# KiCad board TKL.kicad_pcb (continued)
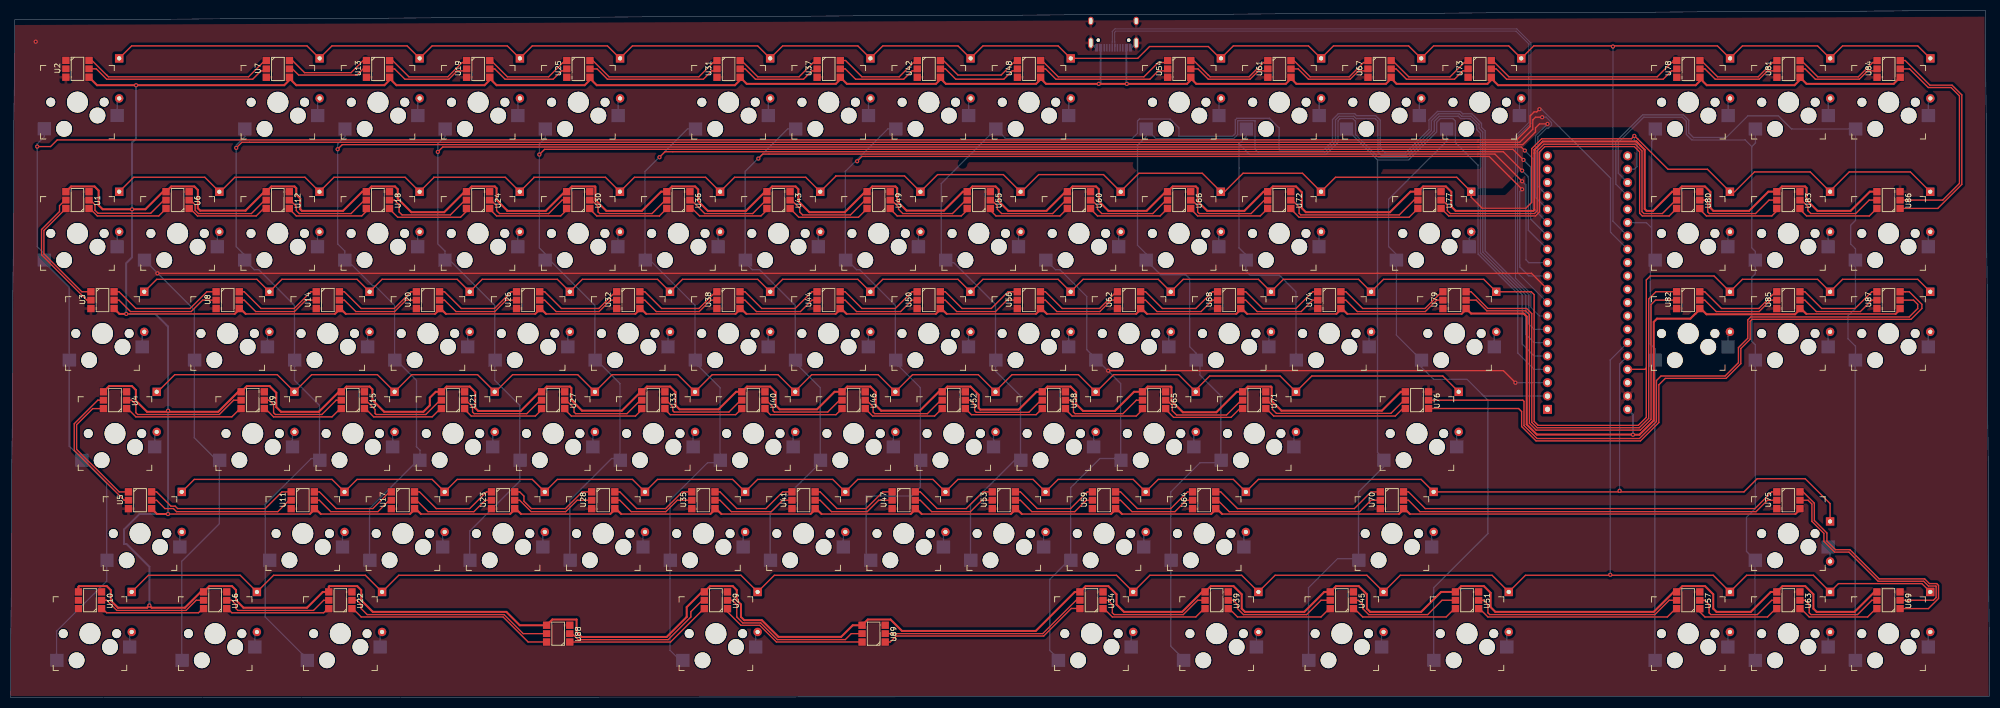
[diagram p0: board, top side]
## Nets (continued)
Net-(U12-DIN): U12.1 U18.6
Net-(U12-DOUT): U6.1 U12.6
Net-(U13-CIN): U7.5 U13.2
Net-(U13-COUT): U13.5 U19.2
Net-(U13-DIN): U7.6 U13.1
Net-(U13-DOUT): U13.6 U19.1
Net-(U14-CIN): U8.5 U14.2
Net-(U14-COUT): U14.5 U20.2
Net-(U14-DIN): U8.6 U14.1
Net-(U14-DOUT): U14.6 U20.1
Net-(U15-CIN): U15.2 U21.5
Net-(U15-COUT): U9.2 U15.5
Net-(U15-DIN): U15.1 U21.6
Net-(U15-DOUT): U9.1 U15.6
Net-(U16-CIN): U16.2 U22.5
Net-(U16-DIN): U16.1 U22.6
Net-(U17-COUT): U17.5 U23.2
Net-(U17-DOUT): U17.6 U23.1
Net-(U18-CIN): U18.2 U24.5
Net-(U18-DIN): U18.1 U24.6
Net-(U19-COUT): U19.5 U25.2
Net-(U19-DOUT): U19.6 U25.1
Net-(U20-COUT): U20.5 U26.2
Net-(U20-DOUT): U20.6 U26.1
Net-(U21-CIN): U21.2 U27.5
Net-(U21-DIN): U21.1 U27.6
Net-(U22-CIN): U22.2 U88.5
Net-(U22-DIN): U22.1 U88.6
Net-(U23-COUT): U23.5 U28.2
Net-(U23-DOUT): U23.6 U28.1
Net-(U24-CIN): U24.2 U30.5
Net-(U24-DIN): U24.1 U30.6
Net-(U25-COUT): U25.5 U31.2
Net-(U25-DOUT): U25.6 U31.1
Net-(U26-COUT): U26.5 U32.2
Net-(U26-DOUT): U26.6 U32.1
Net-(U27-CIN): U27.2 U33.5
Net-(U27-DIN): U27.1 U33.6
Net-(U28-COUT): U28.5 U35.2
Net-(U28-DOUT): U28.6 U35.1
Net-(U29-CIN): U29.2 U89.5
Net-(U29-COUT): U29.5 U88.2
Net-(U29-DIN): U29.1 U89.6
Net-(U29-DOUT): U29.6 U88.1
Net-(U30-CIN): U30.2 U36.5
Net-(U30-DIN): U30.1 U36.6
Net-(U31-COUT): U31.5 U37.2
Net-(U31-DOUT): U31.6 U37.1
Net-(U32-COUT): U32.5 U38.2
Net-(U32-DOUT): U32.6 U38.1
Net-(U33-CIN): U33.2 U40.5
Net-(U33-DIN): U33.1 U40.6
Net-(U34-CIN): U34.2 U39.5
Net-(U34-COUT): U34.5 U89.2
Net-(U34-DIN): U34.1 U39.6
Net-(U34-DOUT): U34.6 U89.1
Net-(U35-COUT): U35.5 U41.2
Net-(U35-DOUT): U35.6 U41.1
Net-(U36-CIN): U36.2 U43.5
Net-(U36-DIN): U36.1 U43.6
Net-(U37-COUT): U37.5 U42.2
Net-(U37-DOUT): U37.6 U42.1
Net-(U38-COUT): U38.5 U44.2
Net-(U38-DOUT): U38.6 U44.1
Net-(U39-CIN): U39.2 U45.5
Net-(U39-DIN): U39.1 U45.6
Net-(U40-CIN): U40.2 U46.5
Net-(U40-DIN): U40.1 U46.6
Net-(U41-COUT): U41.5 U47.2
Net-(U41-DOUT): U41.6 U47.1
Net-(U42-COUT): U42.5 U48.2
Net-(U42-DOUT): U42.6 U48.1
Net-(U43-CIN): U43.2 U49.5
Net-(U43-DIN): U43.1 U49.6
Net-(U44-COUT): U44.5 U50.2
Net-(U44-DOUT): U44.6 U50.1
Net-(U45-CIN): U45.2 U51.5
Net-(U45-DIN): U45.1 U51.6
Net-(U46-CIN): U46.2 U52.5
Net-(U46-DIN): U46.1 U52.6
Net-(U47-COUT): U47.5 U53.2
Net-(U47-DOUT): U47.6 U53.1
Net-(U48-COUT): U48.5 U54.2
Net-(U48-DOUT): U48.6 U54.1
Net-(U49-CIN): U49.2 U55.5
Net-(U49-DIN): U49.1 U55.6
Net-(U50-COUT): U50.5 U56.2
Net-(U50-DOUT): U50.6 U56.1
Net-(U51-CIN): U51.2 U57.5
Net-(U51-DIN): U51.1 U57.6
Net-(U52-CIN): U52.2 U58.5
Net-(U52-DIN): U52.1 U58.6
Net-(U53-COUT): U53.5 U59.2
Net-(U53-DOUT): U53.6 U59.1
Net-(U54-COUT): U54.5 U61.2
Net-(U54-DOUT): U54.6 U61.1
Net-(U55-CIN): U55.2 U60.5
Net-(U55-DIN): U55.1 U60.6
Net-(U56-COUT): U56.5 U62.2
Net-(U56-DOUT): U56.6 U62.1
Net-(U57-CIN): U57.2 U63.5
Net-(U57-DIN): U57.1 U63.6
Net-(U58-CIN): U58.2 U65.5
Net-(U58-DIN): U58.1 U65.6
Net-(U59-COUT): U59.5 U64.2
Net-(U59-DOUT): U59.6 U64.1
Net-(U60-CIN): U60.2 U66.5
Net-(U60-DIN): U60.1 U66.6
Net-(U61-COUT): U61.5 U67.2
Net-(U61-DOUT): U61.6 U67.1
Net-(U62-COUT): U62.5 U68.2
Net-(U62-DOUT): U62.6 U68.1
Net-(U63-CIN): U63.2 U69.5
Net-(U63-DIN): U63.1 U69.6
Net-(U64-COUT): U64.5 U70.2
Net-(U64-DOUT): U64.6 U70.1
Net-(U65-CIN): U65.2 U71.5
Net-(U65-DIN): U65.1 U71.6
Net-(U66-CIN): U66.2 U72.5
Net-(U66-DIN): U66.1 U72.6
Net-(U67-COUT): U67.5 U73.2
Net-(U67-DOUT): U67.6 U73.1
Net-(U68-COUT): U68.5 U74.2
Net-(U68-DOUT): U68.6 U74.1
Net-(U69-CIN): U69.2 U75.5
Net-(U69-DIN): U69.1 U75.6
Net-(U70-COUT): U70.5 U75.2
Net-(U70-DOUT): U70.6 U75.1
Net-(U71-CIN): U71.2 U76.5
Net-(U71-DIN): U71.1 U76.6
Net-(U72-CIN): U72.2 U77.5
Net-(U72-DIN): U72.1 U77.6
Net-(U73-COUT): U73.5 U78.2
Net-(U73-DOUT): U73.6 U78.1
Net-(U74-COUT): U74.5 U79.2
Net-(U74-DOUT): U74.6 U79.1
Net-(U76-CIN): U76.2 U87.5
Net-(U76-DIN): U76.1 U87.6
Net-(U77-CIN): U77.2 U80.5
Net-(U77-DIN): U77.1 U80.6
Net-(U78-COUT): U78.5 U81.2
Net-(U78-DOUT): U78.6 U81.1
Net-(U79-COUT): U79.5 U82.2
Net-(U79-DOUT): U79.6 U82.1
Net-(U80-CIN): U80.2 U83.5
Net-(U80-DIN): U80.1 U83.6
Net-(U81-COUT): U81.5 U84.2
Net-(U81-DOUT): U81.6 U84.1
Net-(U82-COUT): U82.5 U85.2
Net-(U82-DOUT): U82.6 U85.1
Net-(U83-CIN): U83.2 U86.5
Net-(U83-DIN): U83.1 U86.6
Net-(U84-COUT): U84.5 U86.2
Net-(U84-DOUT): U84.6 U86.1
Net-(U85-COUT): U85.5 U87.2
Net-(U85-DOUT): U85.6 U87.1

Pads without a net: U59 3; U90 18 19 20 21 25 29 30 31 32 33 34 38; USB1 3 4 5 8 9 10

## Via types
v1: diameter 0.8, hole 0.4, Top to Bottom, 33 vias

## Routing (per net, layer and track width the routed paths; a pad name or vN(x,y) marks a point on that pad's centre or on a via; arc(x,y) is an arc through that point)
GND: length 2.9
  Bottom w0.381: USB1.13 213.21,123.72 USB1.12 ; USB1.1 206.4,123.72 USB1.13
  vias: v1(4.79,124.87)
VCC: length 2386.8
  Top w0.25: v1(22.01,73.04) 42.65,73.04 ; v1(29.95,34.94) 56.94,34.94 ; 216.18,73.04 233.15,73.04 ; 120.93,73.04 137.9,73.04 ; 192.36,34.94 209.34,34.94 ; 135.21,34.94 152.19,34.94 ; 266.18,34.94 339.51,34.94 ; 59.01,34.94 75.99,34.94 ; 97.11,34.94 114.09,34.94 ; 154.26,34.94 171.24,34.94 ; 235.23,73.04 252.2,73.04 ; 63.78,73.04 80.75,73.04 ; 159.03,73.04 176,73.04 ; 254.28,73.04 276.01,73.04 ; 230.46,34.94 264.11,34.94 ; 341.59,73.04 358.56,73.04 ; 211.41,34.94 228.39,34.94 ; 116.16,34.94 133.14,34.94 ; 197.13,73.04 214.1,73.04 ; 82.83,73.04 99.8,73.04 ; 101.88,73.04 118.85,73.04 ; 139.98,73.04 156.95,73.04 ; 178.08,73.04 195.05,73.04 ; 44.73,73.04 61.7,73.04 ; 78.06,34.94 95.04,34.94 ; 173.31,34.94 190.29,34.94
  Top w0.381: U16.4 37.82,21.2 42.14,21.2 42.89,20.44 42.89,18.51 44.31,17.09 56.4,17.09 59.4,20.1 60.36,20.1 ; 42.65,73.04 43.69,74.07 44.73,73.04 ; 161.96,13.75 160.2,13.75 157.99,11.54 146.08,11.54 142.91,14.71 139.56,14.71 138.94,15.34 138.94,17.72 138.14,18.51 138.14,20.44 137.39,21.2 133.07,21.2 U29.4 ; 78.06,34.94 77.03,35.97 75.99,34.94 ; 56.94,34.94 57.98,35.97 59.01,34.94 ; U57.4 318.01,21.2 322.33,21.2 323.88,19.65 323.88,16.92 324.5,16.3 331.03,16.3 334.82,20.1 335.79,20.1 ; U43.4 144.87,97.3 149.33,97.3 149.86,96.77 149.86,94.49 151.94,92.41 158.7,92.41 162.6,96.31 ; U89.4 163.07,14.85 167.39,14.85 169.56,12.68 195.02,12.68 202.44,20.1 203.23,20.1 ; U39.4 228.32,21.2 232.64,21.2 234.19,19.65 234.19,16.92 234.81,16.3 246.09,16.3 249.89,20.1 250.86,20.1 ; U22.4 60.54,21.07 60.67,21.2 65.95,21.2 66.71,20.44 66.71,18.51 68.92,16.3 94.32,16.3 96.87,13.75 101.63,13.75 ; U27.4 102.01,59.2 106.41,59.2 106.68,58.93 106.68,56.64 108.71,54.61 116.28,54.61 119.89,58.21 ; 209.34,34.94 210.38,35.97 211.41,34.94 ; 138.94,117.73 137.8,116.59 111.51,116.59 110.36,117.73 109.22,116.59 92.46,116.59 91.31,117.73 90.17,116.59 73.41,116.59 72.26,117.73 71.12,116.59 54.36,116.59 53.21,117.73 52.07,116.59 v1(23.88,116.59) 16.46,116.59 U2.4 ; 214.1,73.04 215.14,74.07 216.18,73.04 ; 309.26,105.87 309.57,105.57 ; 309.26,105.87 310.85,104.29 310.85,93.01 311.2,92.66 312.42,92.66 316.07,96.31 U80.4 317.91,97.3 322.31,97.3 323.35,96.26 323.35,93.22 323.91,92.66 330.71,92.66 334.36,96.31 U83.4 336.96,97.3 341.36,97.3 341.63,97.03 341.63,94.74 343.71,92.66 350.01,92.66 353.66,96.31 U86.4 ; 309.26,105.87 291.45,105.87 289.86,104.29 289.86,92.86 289.67,92.66 274.88,92.66 274.07,93.47 274.07,96.27 273.03,97.3 268.7,97.3 U77.4 266.29,96.31 262.38,92.41 246.39,92.41 245.63,93.17 245.63,96.2 244.52,97.3 240.12,97.3 U72.4 238.35,96.31 234.7,92.66 227.63,92.66 225.81,94.49 225.81,96.97 225.47,97.3 221.07,97.3 U66.4 ; 230.46,34.94 229.43,35.97 228.39,34.94 ; U5.4 27.86,34.94 v1(29.95,34.94) ; U30.4 106.77,97.3 111.17,97.3 111.25,97.22 111.25,94.74 113.33,92.66 120.09,92.66 123.74,96.31 U36.4 125.82,97.3 130.22,97.3 130.81,96.71 130.81,94.49 132.64,92.66 139.9,92.66 143.55,96.31 ; U15.4 63.91,59.2 68.31,59.2 68.83,58.68 68.83,56.64 71.08,54.4 78.53,54.4 79.76,55.63 79.76,57.08 80.89,58.21 U21.4 82.96,59.2 87.36,59.2 88.4,58.16 88.4,55.12 88.96,54.56 97.04,54.56 100.69,58.21 ; 224.66,117.73 225.55,116.84 242.57,116.84 243.56,117.83 U61.4 ; 137.9,73.04 138.94,74.07 139.98,73.04 ; 358.56,73.04 359.6,74.07 ; U33.4 121.06,59.2 125.46,59.2 126.49,58.17 126.49,55.63 127.25,54.87 134.68,54.87 138.02,58.21 U40.4 140.09,59.2 144.49,59.2 145.54,58.15 145.54,55.63 146.3,54.87 153.42,54.87 156.75,58.21 U46.4 159.16,59.2 163.56,59.2 164.59,58.17 164.59,55.63 165.61,54.61 172.97,54.61 176.57,58.21 U52.4 178.21,59.2 182.61,59.2 184.15,57.66 184.15,55.12 184.45,54.81 191.77,54.81 195.17,58.21 U58.4 197.25,59.2 201.65,59.2 202.7,58.15 202.7,55.87 204.01,54.56 210.06,54.56 213.71,58.21 U65.4 216.31,59.2 220.71,59.2 220.82,59.09 220.82,56.49 223,54.31 229.36,54.31 233.27,58.21 U71.4 235.36,59.2 239.76,59.2 239.87,59.09 239.87,56.49 241.74,54.62 260.86,54.62 264.45,58.21 U76.4 ; 82.83,73.04 81.79,74.07 80.75,73.04 ; U9.4 44.96,59.3 49.28,59.3 50.55,58.03 50.55,55.3 51.45,54.4 58.66,54.4 62.45,58.2 ; U84.4 358.2,116.84 341.63,116.84 340.4,118.07 U81.4 340.4,117.64 339.34,116.59 322.64,116.59 321.5,117.73 ; U4.4 18.77,59.3 23.09,59.3 23.84,58.54 23.84,56.52 25.96,54.4 39.51,54.4 43.3,58.2 43.69,58.2 ; 101.88,73.04 100.84,74.07 99.8,73.04 ; 61.7,73.04 62.74,74.07 63.78,73.04 ; 254.28,73.04 253.24,74.07 252.2,73.04 ; 266.18,34.94 265.14,35.97 264.11,34.94 ; 281.81,117.73 282.96,116.59 320.55,116.59 321.35,117.38 U78.4 ; 219.75,96.31 216.1,92.66 208.84,92.66 207.01,94.49 207.01,96.77 206.48,97.3 202.02,97.3 U60.4 ; 177.04,117.73 177.93,116.84 195.07,116.84 195.93,117.7 U48.4 ; 178.08,73.04 177.04,74.07 176,73.04 ; U88.4 103.07,14.85 107.67,14.85 107.67,12.47 108.62,11.53 124.81,11.53 128.62,15.34 128.62,17.21 131.51,20.1 ; 195.05,73.04 196.09,74.07 197.13,73.04 ; U67.4 262.61,117.83 261.62,116.84 244.6,116.84 243.71,117.73 ; U12.4 49.62,97.3 54.02,97.3 54.36,96.97 54.36,95.76 55.12,95 55.12,92.96 55.42,92.66 63.25,92.66 66.9,96.31 U18.4 68.67,97.3 73.13,97.3 73.66,96.77 73.66,95 76.25,92.41 82.5,92.41 86.4,96.31 ; 235.23,73.04 234.19,74.07 233.15,73.04 ; 190.29,34.94 191.33,35.97 192.36,34.94 ; 48.3,96.31 44.7,92.71 44.7,92.71 36.07,92.71 35.63,93.15 35.63,96.64 34.97,97.3 30.57,97.3 U6.4 29,96.31 25.65,92.96 v1(23.11,92.96) 17.53,92.96 16.76,93.73 16.76,96.52 15.98,97.3 11.52,97.3 U1.4 ; 276.01,73.04 277.05,74.07 ; 200.7,96.31 197.05,92.66 189.79,92.66 187.96,94.49 187.96,96.71 187.37,97.3 182.97,97.3 U55.4 181.15,96.31 177.55,92.71 170.43,92.71 168.66,94.49 168.66,96.97 168.32,97.3 163.92,97.3 U49.4 ; 339.51,34.94 340.55,35.97 ; 97.11,34.94 96.08,35.97 95.04,34.94 ; 114.09,34.94 115.13,35.97 116.16,34.94 ; U51.4 275.94,21.2 280.26,21.2 281.53,19.93 281.53,17.2 282.43,16.3 312.56,16.3 316.35,20.1 316.74,20.1 ; v1(22.01,73.04) 20.72,73.04 U3.4 ; 135.21,34.94 134.18,35.97 133.14,34.94 ; 262.76,117.73 263.65,116.84 280.92,116.84 281.66,117.57 U73.4 ; 354.55,20.1 350.76,16.3 343.55,16.3 342.93,16.92 342.93,19.65 341.38,21.2 337.06,21.2 U63.4 ; 120.93,73.04 119.89,74.07 118.85,73.04 ; 154.26,34.94 153.23,35.97 152.19,34.94 ; 36.54,20.1 36.17,20.1 33.17,17.09 26.85,17.09 v1(26.42,17.53) 25.98,17.09 20.43,17.09 19.08,18.45 19.08,20.44 18.33,21.2 13.04,21.2 12.91,21.07 U10.4 ; 159.03,73.04 157.99,74.07 156.95,73.04 ; 171.24,34.94 172.28,35.97 173.31,34.94 ; 274.67,20.1 272.12,20.1 268.32,16.3 258.62,16.3 258,16.92 258,19.65 256.45,21.2 252.13,21.2 U45.4 ; U34.4 204.5,21.2 208.83,21.2 210.38,19.65 210.38,17.72 211.79,16.3 222.86,16.3 226.66,20.1 227.04,20.1 ; U54.4 224.51,117.57 223.77,116.84 v1(212.34,116.84) v1(207.01,116.84) 196.98,116.84 196.09,117.73 ; 105.45,96.31 101.8,92.66 94.49,92.66 94.49,92.71 92.46,94.74 92.46,96.97 92.12,97.3 87.72,97.3 U24.4 ; U79.4 277.82,73.11 287.83,73.11 288.4,72.54 288.4,51.99 290.32,50.07 308.58,50.07 v1(308.61,50.04) 309.85,50.04 312.57,52.75 312.57,71.52 313.18,72.14 319.53,72.14 320.43,73.04 320.46,73.04 321.5,74.07 322.6,72.97 339.45,72.97 340.55,74.07 341.59,73.04 ; U31.4 140.03,116.84 156.97,116.84 157.83,117.7 U37.4 159.08,116.84 176.02,116.84 176.88,117.7 U42.4
  Bottom w0.381: v1(26.42,17.53) 26.42,24.89 22.1,29.21 21.59,29.21 21.59,32 24.52,34.94 v1(29.95,34.94) 29.97,34.96 v1(29.97,54.61) 29.97,70.61 27.55,73.04 v1(22.01,73.04) 22.01,82.72 23.11,83.82 v1(23.11,92.96) 23.11,105.66 23.88,106.42 v1(23.88,116.59) ; USB1.11 212.25,116.93 v1(212.34,116.84) ; USB1.2 207.35,117.18 v1(207.01,116.84) ; U90.40 308.61,53.85 v1(308.61,50.04)
Col1: length 435
  Top w0.25: v1(290.83,112.01) 290.32,111.51 289.81,111.51 289.05,110.74 289.05,108.71 286.51,106.17 8.89,106.17 7.62,104.9 v1(5.08,104.9)
  Bottom w0.25: SW1.1 6.44,106.77 5.08,105.41 v1(5.08,104.9) 5.08,85.85 6.44,84.49 SW17.1 ; 6.44,82.86 11.14,78.16 11.14,47.88 18.29,40.74 18.29,22.16 8.76,12.63 8.76,6.6 ; U90.28 304.35,88.59 304.35,98.89 291.22,112.01 v1(290.83,112.01)
Col2: length 351.2
  Top w0.25: v1(27.94,80.77) 289.31,80.77 U90.10
  Bottom w0.25: 32.58,6.6 32.58,25.94 39.72,33.08 39.72,44.7 34.96,49.47 34.96,73.82 28,80.77 v1(27.94,80.77) 27.94,80.83 SW21.1
Col3: length 386.3
  Top w0.25: v1(291.34,110.49) 290.07,110.49 289.56,109.98 289.56,108.2 287.08,105.72 44,105.72 v1(42.93,104.65)
  Bottom w0.25: v1(291.34,110.49) 292.11,110.49 293.12,109.48 293.12,108.96 292.55,108.39 292.16,108.39 290.5,106.73 290.5,97.36 U90.17 ; SW24.1 46.37,81.46 47.22,81.46 54.01,74.67 54.01,60.38 58.77,55.62 58.77,45.5 57.18,45.5 48.45,36.77 48.45,15.34 56.39,7.4 ; SW5.1 44.57,106.8 42.93,105.16 v1(42.93,104.65) 42.93,85.85 44.54,84.24
Col4: length 345.4
  Top w0.25: v1(292.35,109.22) 290.83,109.22 290.07,108.46 290.07,107.7 287.64,105.27 63.11,105.27 v1(62.23,104.39)
  Bottom w0.25: SW59.1 77.88,47.09 77.22,47.75 77.22,60.39 73.06,64.55 73.06,74.67 69.35,78.37 68.93,78.37 63.62,83.68 ; 77.91,45.59 68.29,35.97 68.29,25.65 ; SW27.1 63.59,85 62.23,86.36 v1(62.23,104.39) 62.23,105.41 63.62,106.8 SW9.1 ; v1(292.35,109.22) 290.05,106.92 290.05,95.27 U90.16
Col5: length 316.8
  Top w0.25: v1(288.04,104.14) 287.35,104.82 82.22,104.82 v1(81.28,103.89)
  Bottom w0.25: 82.67,82.89 83.89,82.89 92.11,74.67 92.11,60.38 96.87,55.62 96.87,41.21 87.34,31.68 87.34,25.65 ; SW31.1 82.64,85 81.28,86.36 v1(81.28,103.89) 81.28,105.41 82.67,106.8 SW14.1 ; U90.15 289.6,93.18 289.6,102.57 v1(288.04,104.14)
Col6: length 298.6
  Top w0.25: v1(287.78,102.36) 285.77,104.37 101.58,104.37 v1(100.58,103.38)
  Bottom w0.25: 106.39,26.45 106.39,37.56 114.33,45.5 115.92,45.5 115.92,59.79 111.16,64.55 111.16,74.67 102.94,82.89 101.72,82.89 ; SW18.1 101.69,84.49 100.58,85.6 v1(100.58,103.38) 100.58,105.41 101.72,106.54 SW2.1 ; v1(287.78,102.36) 289.15,100.99 289.15,91.09 U90.14
Col7: length 301.6
  Top w0.25: v1(123.44,102.87) 124.5,103.92 283.94,103.92 v1(287.53,100.33)
  Bottom w0.25: 121.28,83.6 130.21,74.67 130.21,63.75 134.97,58.99 134.97,44.7 132.59,44.7 125.44,37.56 125.44,8.99 127.83,6.6 ; U90.13 288.7,89 288.7,99.16 v1(287.53,100.33) ; SW6.1 128.77,108.26 123.44,102.94 v1(123.44,102.87) 123.38,102.87 120.68,100.17 120.68,83.6
Col8: length 264.8
  Top w0.25: v1(142.24,102.62) 143.1,103.47 282.35,103.47 v1(287.53,98.3)
  Bottom w0.25: 144.49,26.45 144.49,35.18 154.02,44.7 154.02,58.99 149.26,63.75 149.26,74.67 142.47,81.46 141.08,81.46 139.73,82.8 139.73,100.17 142.17,102.62 v1(142.24,102.62) 142.24,102.68 147.82,108.26 SW10.1 ; U90.12 288.8,82.8 288.25,83.35 288.25,97.57 v1(287.53,98.3)
Col9: length 252.1
  Top w0.25: v1(161.04,102.11) 161.95,103.02 281.28,103.02 v1(287.53,96.77)
  Bottom w0.25: v1(287.53,96.77) 287.08,96.33 287.08,81.98 288.8,80.26 U90.11 ; SW13.1 166.87,108.26 161.04,102.43 v1(161.04,102.11) 160.72,102.11 158.78,100.17 158.78,83.6 160.92,81.46 161.52,81.46 168.31,74.67 168.31,63.75 173.07,58.99 173.07,40.08 171.35,38.35 162.75,38.35 162.75,27.24
Col10: length 266.2
  Bottom w0.25: 192.12,45.5 192.12,57.4 187.36,62.17 187.36,74.87 179.42,82.8 177.04,82.8 177.04,97.86 SW16.1 189.32,106.39 213.32,106.39 214.38,107.44 214.38,109.79 214.72,110.14 220.57,110.14 222.25,108.46 222.25,106.84 232.44,106.84 232.98,107.37 232.98,109.98 233.28,110.29 239.47,110.29 241.3,108.46 241.3,104.28 249.82,104.28 251.46,105.92 251.46,110.05 252.55,111.14 255.69,111.14 256.03,110.8 259.66,110.8 260.55,109.91 260.55,104.65 261.48,103.71 265.38,103.71 269.8,108.14 269.8,109.98 271.41,111.59 275.77,111.59 276.22,111.14 277.97,111.14 279.79,109.31 279.79,108.59 280.5,107.88 280.5,85.01 288.8,76.71 288.8,71.12 289.81,70.1 U90.7 ; 191.33,45.5 182.59,36.77 182.59,26.45
Col11: length 175.4
  Top w0.25: v1(286.26,59.94) 283.97,62.23 v1(208.79,62.23)
  Bottom w0.25: 199.26,7.4 197.68,8.99 197.68,22.48 201.64,26.45 201.64,39.94 207.2,45.5 211.17,45.5 211.17,59.79 208.79,62.17 v1(208.79,62.23) 208.72,62.23 204.72,66.23 204.72,76.36 199.62,81.46 198.77,81.46 SW33.1 ; v1(286.26,59.94) U90.3
Col12: length 255.4
  Bottom w0.25: 223.08,7.4 220.69,9.78 220.69,39.15 226.25,44.7 230.22,44.7 230.22,57.4 226.25,61.37 226.25,63.75 ; U90.6 289.81,67.56 288.23,69.15 288.23,76.64 280.05,84.82 280.05,107.7 279.34,108.4 279.34,109.13 277.78,110.69 276.03,110.69 275.58,111.14 271.6,111.14 270.25,109.79 270.25,107.95 265.57,103.26 260.72,103.26 260.1,103.89 260.1,109.73 259.59,110.24 255.96,110.24 255.51,110.69 252.73,110.69 252.03,109.98 252.03,105.86 250,103.83 237.29,103.83 236.73,104.39 236.73,109.78 236.67,109.84 233.47,109.84 233.43,109.79 233.43,107.19 232.62,106.39 217.89,106.39 SW3.1 216.02,106.8 214.38,105.16 214.38,86.11 215.99,84.49 SW19.1 218.75,80.52 223.52,80.52 224.28,79.76 224.28,66.8 225.52,65.57 SW36.1
Col13: length 164.1
  Bottom w0.25: U90.5 289.81,65.02 287.53,67.31 287.53,76.71 279.6,84.64 279.6,107.44 278.89,108.15 278.89,108.94 277.6,110.24 275.84,110.24 275.39,110.69 271.78,110.69 270.82,109.73 270.82,107.88 265.75,102.81 260.2,102.81 255.83,107.19 255.83,109.73 255.32,110.24 252.92,110.24 252.52,109.84 252.52,105.71 250.19,103.38 235.71,103.38 233.68,105.41 ; 235.04,84.24 233.68,85.6 233.68,105.41 ; 244.51,63.75 244.51,77.25 241.33,80.42 235.78,80.42 234.98,81.22 234.98,83.6 ; 233.68,105.41 235.07,106.8 SW7.1
Col14: length 187.4
  Bottom w0.25: U90.4 289.81,62.48 286.7,65.6 286.7,76.9 279.15,84.45 279.15,101.35 274.83,105.66 274.83,109.78 274.37,110.24 271.97,110.24 271.27,109.54 271.27,107.7 265.94,102.36 260.02,102.36 ; SW11.1 260.02,102.36 ; 260.02,102.36 260.02,46.66 261.18,45.5 261.18,43.91 256.41,39.15 256.41,26.45 252.44,26.45 246.89,20.89 246.89,7.4
Col15: length 133
  Bottom w0.25: SW26.1 263.62,68.99 SW43.1 ; 279.94,57.69 280.23,57.4 U90.2 ; 279.94,57.69 277.05,60.58 270.7,60.58 268.32,62.96 268.32,64.55 ; 279.94,57.69 281.02,56.61 281.02,31.21 270.7,20.89 270.7,7.4 ; SW15.1 273.17,105.91 262.13,94.87 262.13,85.85 263.62,84.36
Col16: length 106.1
  Bottom w0.25: 312.77,64.55 312.77,6.6 ; 312.17,89.41 311.15,90.42 U90.26 ; 312.17,89.41 312.17,83.94 ; 312.17,89.41 312.17,105.92 312.86,106.61 SW4.1 ; SW45.1 312.83,66.39 311.91,67.31 311.91,82.36
Col17: length 143.2
  Bottom w0.25: 331.82,25.65 331.82,6.6 ; SW71.1 330.2,27.81 330.2,34.29 331.88,35.97 SW47.1 331.88,67.15 331.22,67.82 331.22,80.01 331.88,80.67 SW30.1 331.88,84.93 331.22,85.6 331.22,104.9 ; 331.22,104.9 331.91,105.59 SW8.1 ; 331.22,104.9 329.95,106.17 319.79,106.17 318.77,107.19 318.77,109.73 318.01,110.49 310.64,110.49 305.82,105.66 305.82,99.82 U90.23
Col18: length 168
  Bottom w0.25: U90.24 305.37,97.73 305.37,105.85 310.46,110.94 318.19,110.94 319.22,109.91 319.22,107.5 320.1,106.62 326.33,106.62 330.45,110.74 336.3,110.74 338.78,108.26 SW12.1 350.96,90.86 350.01,89.92 350.01,86.36 350.93,85.44 SW20.1 350.93,74.07 349.5,72.64 349.5,68.33 350.93,66.9 SW37.1 ; 350.87,63.75 350.87,6.6
D+: length 136.9
  Bottom w0.2: U90.9 286.66,80.88 286.66,106.75 289.2,109.29 289.2,124.63 286.51,127.32 286.51,127.33 210.06,127.33 209.58,126.84 209.58,124.83 209.55,124.81 USB1.6
D-: length 139.1
  Bottom w0.2: USB1.7 210.05,124.81 210.03,124.83 210.03,126.65 210.25,126.88 286.38,126.88 288.8,124.46 288.8,109.46 286.26,106.92 286.26,79.85 289.22,76.88 289.22,74.25 290.83,72.64 U90.8
Row1: length 411.2
  Top w0.25: D3.1 230.09,121.7 227.84,123.95 216.66,123.95 214.41,121.7 D16.1 ; D1.1 23.05,124.08 56.39,124.08 58.77,121.7 ; 201.64,121.7 199.26,124.08 184.98,124.08 182.59,121.7 180.21,124.08 165.93,124.08 163.54,121.7 161.16,124.08 146.88,124.08 D6.1 142.11,124.08 118.3,124.08 115.95,121.72 ; 365.16,121.7 362.78,124.08 348.49,124.08 346.11,121.7 343.73,124.08 329.44,124.08 327.06,121.7 324.68,124.08 304.93,124.08 v1(304.8,123.95) 304.67,124.08 289.75,124.08 D15.1 284.99,124.08 270.7,124.08 268.32,121.7 265.94,124.08 251.65,124.08 249.27,121.7 246.89,124.08 232.6,124.08 230.22,121.7 ; 115.92,121.7 113.54,124.08 99.25,124.08 96.9,121.72 ; 96.87,121.7 94.49,124.08 80.2,124.08 D9.1 75.44,124.08 61.15,124.08 58.8,121.72
  Bottom w0.25: U90.27 304.8,90.68 v1(304.8,123.95)
Row2: length 408.6
  Top w0.25: 211.17,96.36 214.63,99.82 226.7,99.82 D19.1 230.92,96.3 234.44,99.82 245.75,99.82 D23.1 252.03,99.06 275.08,99.06 D26.1 277.84,95.25 279.92,93.18 288.25,93.18 289.35,94.28 289.35,104.5 291.23,106.38 308.31,106.38 v1(308.86,106.93) ; v1(308.86,106.93) 308.93,106.93 309.53,106.33 ; v1(308.86,106.93) 308.86,107 ; 346.11,96.42 349.76,100.08 361.38,100.08 D20.1 ; 192.31,96.3 195.58,99.57 207.9,99.57 D33.1 ; D30.1 342.33,100.08 331.72,100.08 327.95,96.3 D28.1 322.77,100.58 315.28,100.58 309.53,106.33 ; D17.1 23.43,99.06 36.96,99.06 D21.1 ; 309.53,106.33 309.48,106.38 ; D32.1 188.85,99.57 176.34,99.57 D29.1 170.05,99.31 156.97,99.31 156.97,99.25 D25.1 151.26,99.06 137.73,99.06 D22.1 132.21,99.06 118.68,99.06 D18.1 113.16,99.06 99.57,99.06 99.57,99 D31.1 94.11,99.06 80.52,99.06 80.52,99 D27.1 75.06,99.06 61.53,99.06 D24.1 56.01,99.06 42.67,99.06 39.91,96.3
  Bottom w0.25: U90.22 308.86,100.58 309.37,101.09 309.37,105.66 308.86,106.17 v1(308.86,106.93)
Row3: length 426
  Top w0.25: 311.15,62.74 311.15,53.34 309.63,51.82 290.58,51.82 289.81,52.58 289.81,76.71 289.27,77.25 D43.1 280.23,79.63 261.18,79.63 D40.1 256.41,79.63 242.13,79.63 D36.1 237.36,79.63 223.08,79.63 D50.1 218.31,79.63 204.03,79.63 D49.1 199.26,79.63 184.98,79.63 D46.1 180.21,79.63 165.93,79.63 D42.1 161.16,79.63 146.88,79.63 D39.1 142.11,79.63 127.83,79.63 D35.1 123.06,79.63 108.78,79.63 D48.1 104.01,79.63 89.73,79.63 D44.1 84.96,79.63 70.68,79.63 D41.1 65.91,79.63 51.63,79.63 D38.1 46.86,79.63 27.81,79.63 D34.1 ; 311.15,62.74 310.9,62.48 U90.37 ; 311.15,62.74 311.15,79.5 311.91,80.26 324.04,80.26 D45.1 329.44,79.63 343.73,79.63 D47.1 348.49,79.63 362.78,79.63 D37.1
Row4: length 279.1
  Top w0.25: 225.46,58.58 228.09,61.21 241.49,61.21 D53.1 247.52,61.21 272.45,61.21 D56.1 ; 92.23,58.2 95.5,61.47 107.89,61.47 D61.1 114.43,61.47 126.94,61.47 D52.1 133.48,61.47 145.99,61.47 D55.1 ; 187.36,58.32 190.5,61.47 203.14,61.47 D62.1 ; D60.1 184.09,61.47 171.58,61.47 D58.1 165.04,61.47 152.4,61.47 149.26,58.32 ; D59.1 88.84,61.47 76.33,61.47 D57.1 69.79,61.47 57.28,61.47 D54.1 50.74,61.47 31.24,61.47 27.97,58.2 ; D63.1 222.19,61.47 209.8,61.47 206.53,58.2
Row5: length 368.1
  Top w0.25: D71.1 346.11,36.93 341.38,41.66 332.23,41.66 329.72,39.15 306.29,39.15 v1(306.07,39.37) 305.85,39.15 D68.1 268.32,41.53 237.36,41.53 D66.1 232.6,41.53 218.31,41.53 D76.1 213.55,41.53 199.26,41.53 D75.1 194.5,41.53 180.21,41.53 D73.1 175.45,41.53 161.16,41.53 D70.1 156.4,41.53 142.11,41.53 D67.1 137.35,41.53 123.06,41.53 D65.1 118.3,41.53 104.01,41.53 D74.1 99.25,41.53 84.96,41.53 D72.1 80.2,41.53 65.91,41.53 D69.1 61.15,41.53 34.96,41.53 D64.1
  Bottom w0.25: U90.36 306.07,63.5 v1(306.07,39.37)
Row6: length 412.7
  Top w0.25: D77.1 26.23,23.27 43.69,23.27 D80.1 50.04,23.27 67.5,23.27 D82.1 73.85,23.27 138.94,23.27 D84.1 145.29,23.27 210.38,23.27 D86.1 216.73,23.27 234.19,23.27 D78.1 240.54,23.27 258,23.27 D81.1 264.35,23.27 281.81,23.27 D83.1 288.16,23.27 304.2,23.27 v1(304.29,23.37) 304.39,23.27 323.88,23.27 D85.1 330.23,23.27 342.93,23.27 D87.1 347.69,21.69 363.57,21.69 D79.1
  Bottom w0.25: U90.35 304.29,64.26 v1(304.29,23.37)
Net-(D1-A): length 3.1
  Bottom w0.25: 20.67,113.76 20.29,113.38 SW1.2
Net-(D2-A): length 3.1
  Bottom w0.25: 115.92,113.76 115.57,113.41 SW2.2
Net-(D3-A): length 3.1
  Bottom w0.25: 230.22,113.76 229.87,113.41 SW3.2
Net-(D4-A): length 3.1
  Bottom w0.25: SW4.2 326.71,113.41 327.06,113.76
Net-(D5-A): length 3.1
  Bottom w0.25: 58.77,113.76 58.42,113.41 SW5.2
Net-(D6-A): length 3.1
  Bottom w0.25: SW6.2 144.14,113.41 144.49,113.76
Net-(D7-A): length 2.6
  Bottom w0.25: SW7.2 248.92,113.41
Net-(D8-A): length 3.1
  Bottom w0.25: SW8.2 345.76,113.41 346.11,113.76
Net-(D9-A): length 3.1
  Bottom w0.25: SW9.2 77.47,113.41 77.82,113.76
Net-(D10-A): length 3.1
  Bottom w0.25: SW10.2 163.19,113.41 163.54,113.76
Net-(D11-A): length 2.6
  Bottom w0.25: SW11.2 267.97,113.41
Net-(D12-A): length 3.1
  Bottom w0.25: 365.16,113.76 364.81,113.41 SW12.2
Net-(D13-A): length 3.1
  Bottom w0.25: 182.59,113.76 182.24,113.41 SW13.2
Net-(D14-A): length 3.1
  Bottom w0.25: SW14.2 96.52,113.41 96.87,113.76
Net-(D15-A): length 3.1
  Bottom w0.25: 287.37,113.76 287.02,113.41 SW15.2
Net-(D16-A): length 3.1
  Bottom w0.25: 201.64,113.76 201.29,113.41 SW16.2
Net-(D17-A): length 2.9
  Bottom w0.25: SW17.2 20.29,88.71
Net-(D18-A): length 2.3
  Bottom w0.25: SW18.2 115.54,88.15
Net-(D19-A): length 2.7
  Bottom w0.25: SW19.2 229.84,87.86 230.34,88.35
Net-(D20-A): length 3.2
  Bottom w0.25: SW20.2 364.78,88 365.54,88.75
Net-(D21-A): length 3.1
  Bottom w0.25: SW21.2 39.34,88.95
Net-(D22-A): length 2.6
  Bottom w0.25: SW22.2 134.59,88.41
Net-(D23-A): length 2.4
  Bottom w0.25: SW23.2 248.89,87.91 249.14,88.15
Net-(D24-A): length 2.8
  Bottom w0.25: SW24.2 58.39,88.61
Net-(D25-A): length 2.4
  Bottom w0.25: SW25.2 153.64,88.25
Net-(D26-A): length 2.9
  Bottom w0.25: 278.34,88.35 277.47,87.48 SW26.2
Net-(D27-A): length 2.8
  Bottom w0.25: SW27.2 77.44,88.65
Net-(D28-A): length 2.5
  Bottom w0.25: SW28.2 326.68,88.3
Net-(D29-A): length 2.9
  Bottom w0.25: SW29.2 172.69,88.71
Net-(D30-A): length 2.5
  Bottom w0.25: SW30.2 345.73,88.3
Net-(D31-A): length 2.9
  Bottom w0.25: SW31.2 96.49,88.71
Net-(D32-A): length 2.7
  Bottom w0.25: SW32.2 191.74,87.96 192.14,88.35
Net-(D33-A): length 2.5
  Bottom w0.25: SW33.2 210.79,87.81 211.14,88.15
Net-(D34-A): length 2.9
  Bottom w0.25: SW34.2 25.05,69.67
Net-(D35-A): length 2.9
  Bottom w0.25: SW35.2 125.07,69.63
Net-(D36-A): length 3.4
  Bottom w0.25: SW36.2 239.37,70.13
Net-(D37-A): length 2.5
  Bottom w0.25: SW37.2 364.78,69.31
Net-(D38-A): length 2.9
  Bottom w0.25: SW38.2 48.87,69.68
Net-(D39-A): length 2.8
  Bottom w0.25: SW39.2 144.12,69.53
Net-(D40-A): length 2.9
  Bottom w0.25: SW40.2 258.42,69.63
Net-(D41-A): length 3
  Bottom w0.25: SW41.2 67.92,69.73
Net-(D42-A): length 2.8
  Bottom w0.25: SW42.2 163.17,69.58
Net-(D43-A): length 2.9
  Bottom w0.25: SW43.2 282.23,69.65
Net-(D44-A): length 2.8
  Bottom w0.25: SW44.2 86.97,69.58
Net-(D45-A): length 2.6
  Bottom w0.25: SW45.2 326.68,68.7 327.14,69.15
Net-(D46-A): length 2.7
  Bottom w0.25: SW46.2 182.22,69.43
Net-(D47-A): length 2.2
  Bottom w0.25: SW47.2 345.73,68.95
Net-(D48-A): length 2.7
  Bottom w0.25: SW48.2 106.02,69.43
Net-(D49-A): length 2.9
  Bottom w0.25: SW49.2 201.27,69.63
Net-(D50-A): length 3
  Bottom w0.25: SW50.2 220.32,69.73
Net-(D51-A): length 2.7
  Bottom w0.25: SW51.2 27.44,50.45
Net-(D52-A): length 2.7
  Bottom w0.25: SW52.2 129.83,50.45
Net-(D53-A): length 3
  Bottom w0.25: SW53.2 244.13,50.75
Net-(D54-A): length 2.7
  Bottom w0.25: SW54.2 53.63,50.45
Net-(D55-A): length 2.9
  Bottom w0.25: SW55.2 148.86,50.63
Net-(D56-A): length 2.6
  Bottom w0.25: SW56.2 275.09,50.3
Net-(D57-A): length 3.2
  Bottom w0.25: SW57.2 72.68,50.9
Net-(D58-A): length 2.8
  Bottom w0.25: SW58.2 167.93,50.55
Net-(D59-A): length 2.8
  Bottom w0.25: SW59.2 91.73,50.56
Net-(D60-A): length 2.5
  Bottom w0.25: SW60.2 186.98,50.2
Net-(D61-A): length 3.1
  Bottom w0.25: SW61.2 110.78,50.8
Net-(D62-A): length 2.7
  Bottom w0.25: SW62.2 206.02,50.43
Net-(D63-A): length 3
  Bottom w0.25: SW63.2 225.08,50.7
